# Altium PCB IMX6 DEV BOARD.PcbDoc (part 10 of 12) (continued)
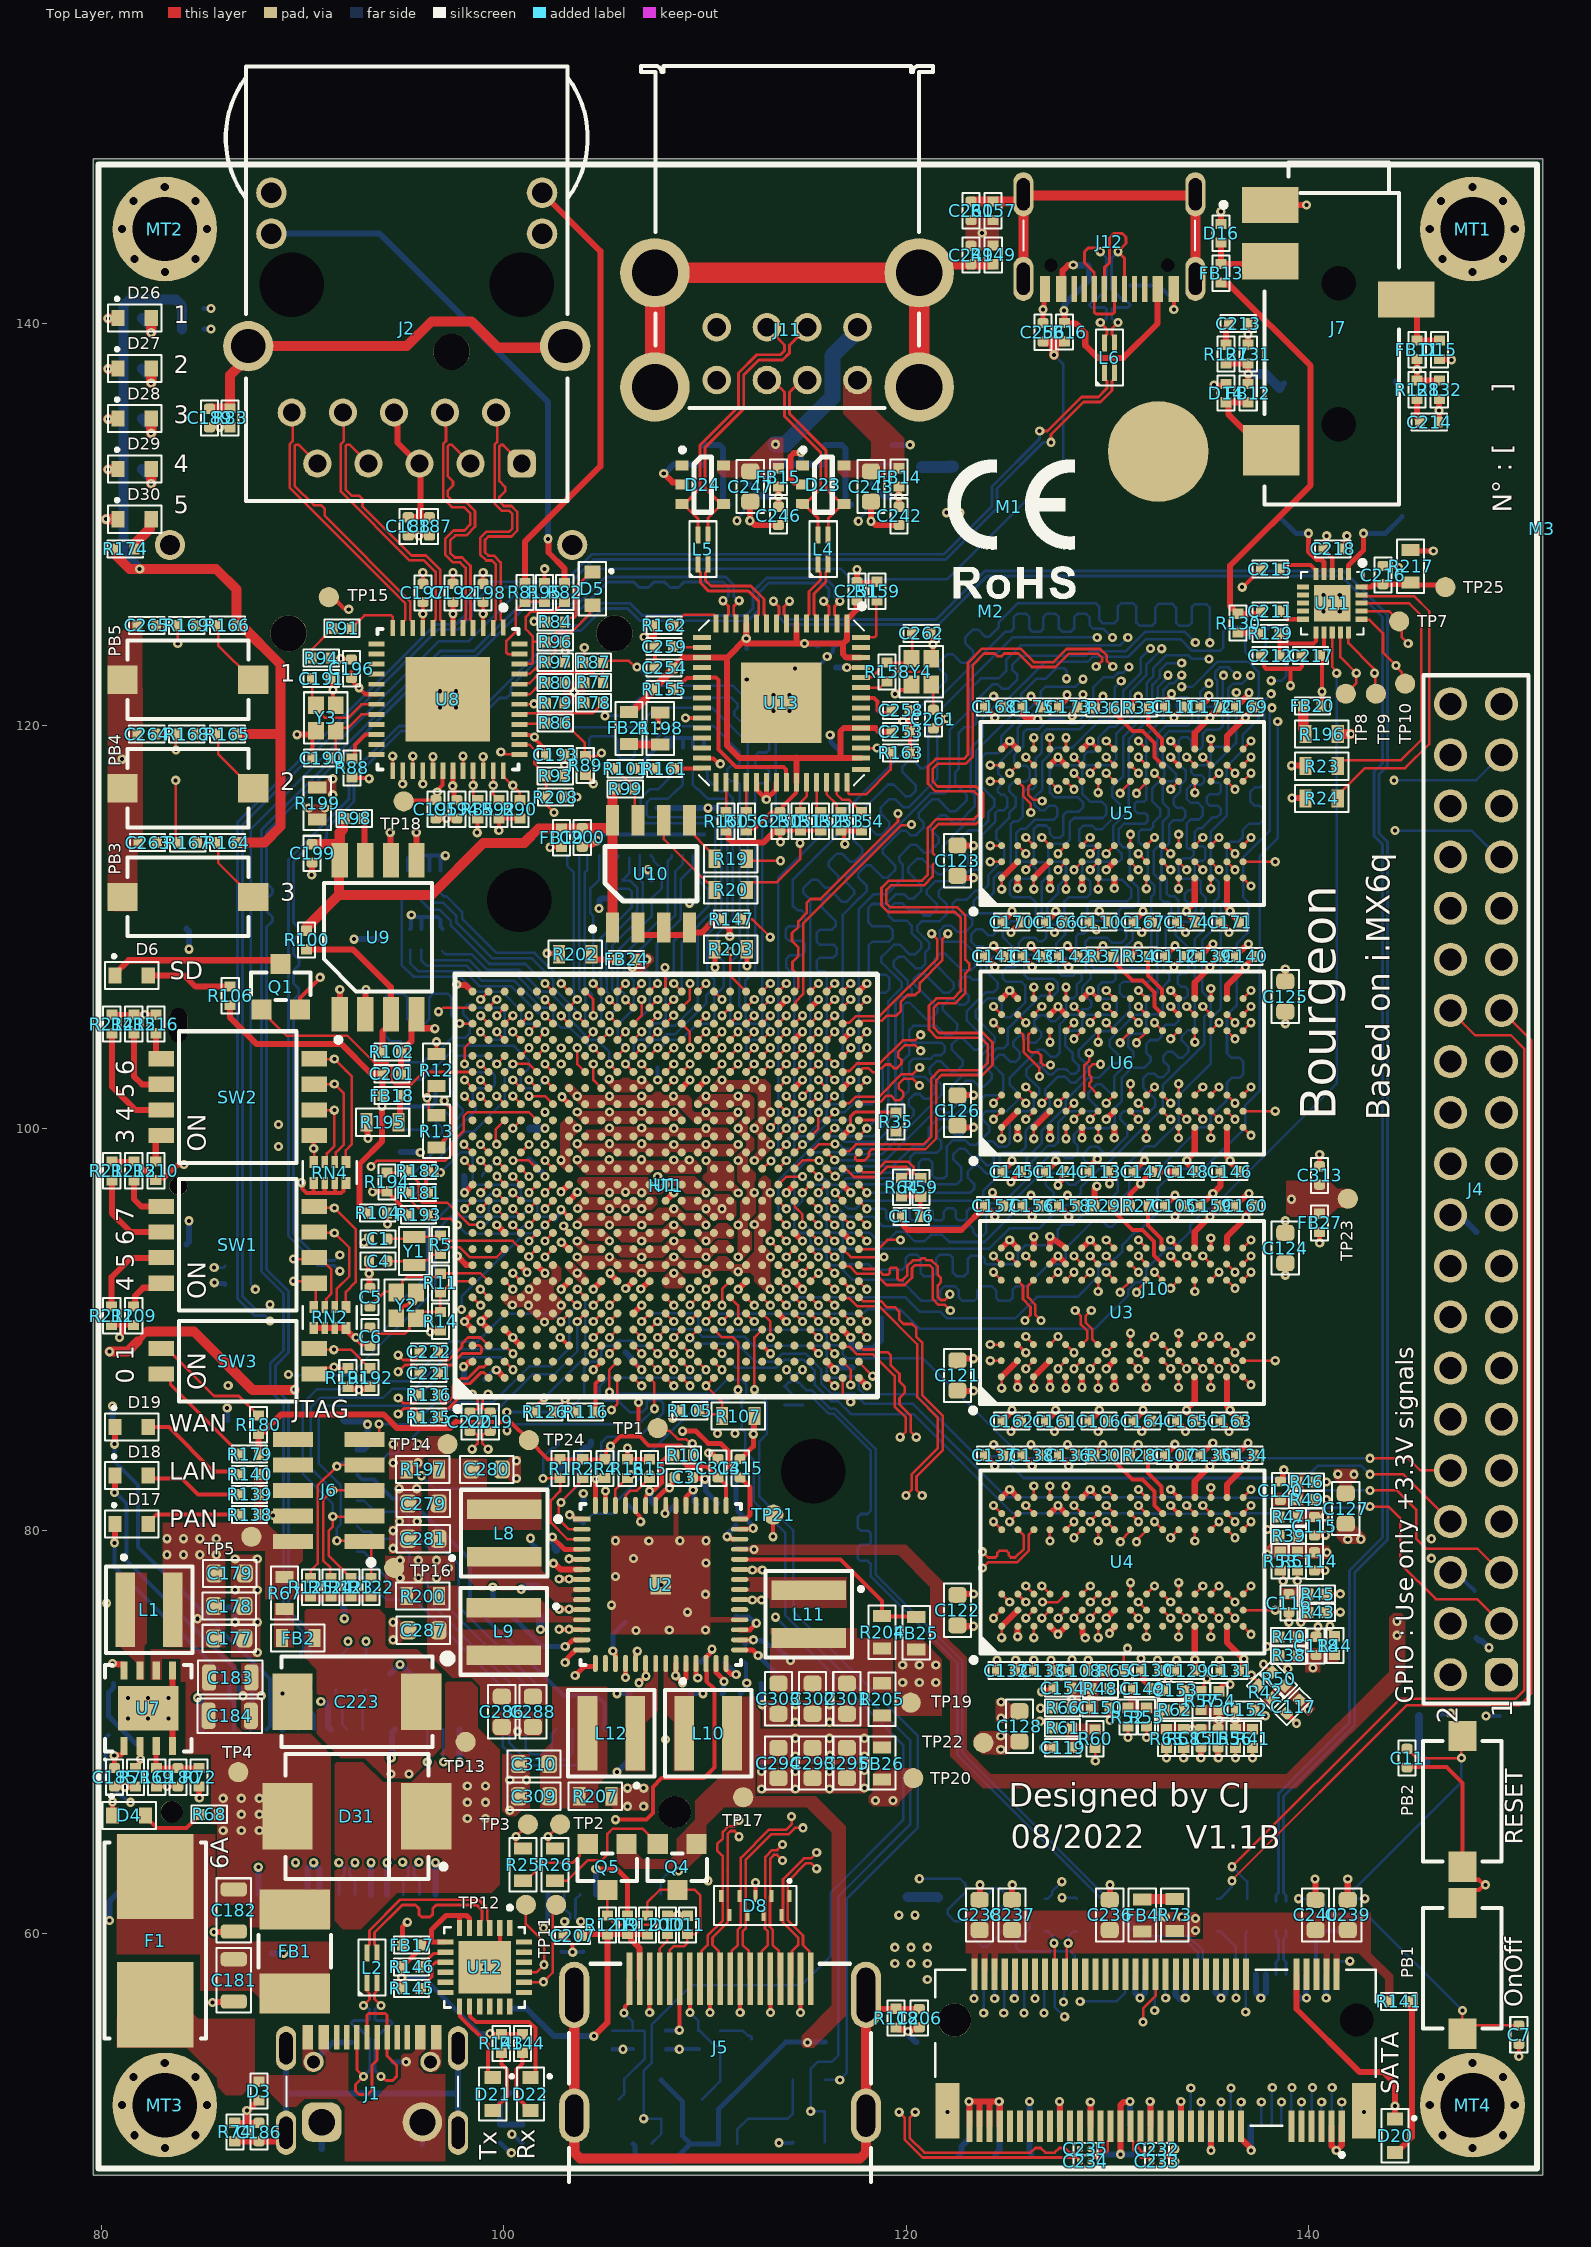
[diagram p0: Top Layer view]
## Nets (pads, with @x,y where several pads share a name; then routed paths per layer and width w, separated by ;. In a path a pad name is that pad's centre, name@x,y a point inside that pad or via, vN(x,y) a via of type N, cw(c..) or ccw(c..) an arc to the next point about the centre after c; other vN are vias at no path point) (continued)
RGMII_TD0: U1.C22 U8.28 | length 22.5
  Top Layer w0.125: v1(95.975,117.125) U8.28@95.975,117.775 ; v1(99.65,104.8) 99.65,104.797 100.044,104.403 U1.C22@100.044,104.4
  Inner 5 w0.11: v1(95.975,117.125) 95.975,117.852 95.834,117.993 95.526,117.993 95.383,117.85 95.383,117.073 95.6,116.857 95.6,116.555 95.71,116.445 95.71,115.66 95.152,115.102 95.152,112.852 95,112.7 95,109.887 94.791,109.677 94.791,109.44 94.99,109.24 95.255,109.24 95.48,109.465 95.685,109.465 95.87,109.28 95.87,109.075 95.617,108.822 95.617,108.618 95.789,108.445 95.986,108.445 96.224,108.683 96.417,108.683 96.596,108.504 96.596,108.308 96.357,108.068 96.357,107.878 96.507,107.727 96.726,107.727 96.969,107.969 97.18,107.969 97.407,107.742 97.407,107.547 97.153,107.292 97.153,107.081 97.733,106.502 97.733,105.856 98.203,105.385 98.203,104.71 98.6,104.313 99.508,104.313 99.65,104.455 v1(99.65,104.8)
RGMII_TD1: U1.F20 U8.27 | length 22.5
  Top Layer w0.125: U8.27@95.475,117.775 v1(95.475,118.5) ; v1(102.05,103.2) 102.05,103.169 102.419,102.8 U1.F20@102.444,102.8
  Inner 5 w0.11: v1(95.475,118.5) 94.25,117.275 94.25,116.71 93.841,116.301 93.841,109.361 97.16,106.042 97.16,104.941 98.449,103.652 100.57,103.652 101.022,103.2 v1(102.05,103.2)
RGMII_TD2: U1.E21 U8.26 | length 22.5
  Top Layer w0.125: v1(94.975,117.125) U8.26@94.975,117.775 ; U1.E21@101.644,103.6 101.647,103.6 102.047,104 v1(102.05,104)
  Inner 5 w0.11: v1(94.975,117.125) 94.975,117.093 95.277,116.792 95.277,116.135 94.985,115.843 94.344,115.843 94.191,115.69 94.191,115.304 94.328,115.168 94.627,115.168 94.764,115.031 94.764,114.532 94.269,114.037 94.269,113.722 94.628,113.364 94.628,113.097 94.219,112.688 94.219,112.457 94.64,112.035 94.64,111.762 94.241,111.363 94.241,111.059 94.644,110.656 94.644,110.344 94.3,110 94.3,109.411 97.42,106.291 97.42,105.048 98.468,104 100.65,104 101.05,103.6 101.65,103.6 v1(102.05,104)
RGMII_TD3: U1.A24 U8.25 | length 22.5
  Top Layer w0.125: U8.25@94.475,117.775 v1(94.475,118.5) ; v1(96.75,105.8) 96.791,105.8 96.991,106 U1.A24@98.444,106
  Inner 5 w0.11: v1(94.475,118.5) 93.85,117.875 93.85,117.15 93.2,116.5 93.2,115.578 93.022,115.4 92.176,115.4 92,115.224 92,114.694 92.194,114.5 93.03,114.5 93.2,114.33 93.2,113.779 93.021,113.6 92.283,113.6 92.103,113.42 92.103,112.834 92.272,112.665 93.023,112.665 93.2,112.488 93.2,111.959 92.989,111.749 92.364,111.749 92.2,111.585 92.2,110.981 92.376,110.805 92.998,110.805 93.2,110.603 93.2,109.35 v1(96.75,105.8)
RGMII_TX_CTL: U1.C23 U8.37 | length 22.5
  Top Layer w0.125: v1(99.85,118.7) 99.941,118.7 100.041,118.6 100.751,118.6 U8.37@100.776,118.576 ; U1.C23@100.044,105.2 100.047,105.2 100.447,105.6 v1(100.45,105.6)
  Inner 5 w0.11: v1(99.85,118.7) 99.84,118.71 99.521,118.71 99.143,119.089 99.143,119.666 99.377,119.9 100.676,119.9 100.858,119.718 100.858,118.3 100.595,118.037 100.323,118.037 99.952,117.666 99.952,116.562 100.314,116.2 100.757,116.2 101,115.957 101,113.71 100.706,113.415 99.985,113.415 98.8,112.231 98.8,110.335 100.796,108.34 100.796,105.946 v1(100.45,105.6)
RGMII_TXC: U1.D21 U8.29 | length 22.5
  Top Layer w0.125: U8.29@96.475,117.775 v1(96.475,118.475) ; U1.D21@100.844,103.6 100.847,103.6 101.247,104 v1(101.25,104)
  Inner 5 w0.11: v1(96.475,118.475) 96.475,119.227 96.35,119.352 96.014,119.352 95.889,119.227 95.889,118.332 96.475,117.746 96.475,117.081 96.05,116.656 96.05,114.45 95.557,113.957 95.557,113.571 95.8,113.328 95.8,113.033 95.5,112.733 95.5,112.458 95.8,112.158 95.8,111.825 95.5,111.525 95.5,111.152 95.8,110.852 95.8,109.8 98.09,107.51 98.09,105.904 98.465,105.529 98.465,105.416 98.666,105.215 99.864,105.215 100.035,105.044 100.035,104.531 100.232,104.333 100.917,104.333 v1(101.25,104)
SATA_A_C_N: C234.2 J10.47 | length 2.3
  Top Layer w0.13: C234.2@129.172,48.654 129.251,48.733 129.251,48.762 129.333,48.844 129.673,48.844 130.02,49.191 130.02,49.645 130.15,49.775 J10.47@130.15,50.4
SATA_A_C_P: C235.2 J10.49 | length 2
  Top Layer w0.13: C235.2@129.17,49.274 129.249,49.195 129.249,49.166 129.331,49.084 129.574,49.084 129.78,49.29 129.78,49.645 129.65,49.775 J10.49@129.65,50.4
SATA_A_N: C234.1 U1.B12 | length 106.8
  Top Layer w0.13: v1(98.85,96) 98.85,96.003 99.244,96.397 U1.B12@99.244,96.4 ; v1(119.65,51.1) 119.93,50.82 119.93,49.725 120.811,48.844 128.481,48.844 128.563,48.762 128.563,48.733 C234.1@128.642,48.654
  Inner 5 w0.11: 82.45,81.928 82.45,81.729 ; v1(98.85,96) 98.446,96.404 97.774,96.404 97.689,96.319 92.779,96.319 92.054,95.594 91.106,95.594 89.912,94.4 85.741,94.4 82.45,91.109 82.45,89.072 82.45,88.39 82.45,88.116 82.794,87.772 83.972,87.772 84.134,87.61 84.134,87.124 83.972,86.962 82.7,86.962 82.356,86.618 82.356,85.876 82.7,85.532 83.972,85.532 84.134,85.37 84.134,84.884 83.972,84.722 82.7,84.722 82.356,84.378 82.356,83.636 82.7,83.292 83.972,83.292 84.134,83.13 84.134,82.644 83.972,82.482 82.794,82.482 82.45,82.138 82.45,81.729 ; 113.672,53.29 105.68,53.29 104.88,54.09 103.159,54.09 100.159,57.09 96.772,57.09 93.872,59.99 91.068,59.99 88.5,62.558 88.5,67.862 85.82,70.542 85.82,73.3 82.541,76.579 82.45,76.67 82.45,81.729 ; 113.7,53.29 118.723,53.29 119.888,52.126 119.888,51.338 v1(119.65,51.1)
SATA_A_P: C235.1 U1.A12 | length 107.2
  Top Layer w0.13: v1(98.05,96) 98.05,96.003 98.444,96.397 U1.A12@98.444,96.4 ; v1(120.45,51.1) 120.17,50.82 120.17,49.824 120.91,49.084 126.184,49.084 126.42,49.32 126.68,49.32 126.916,49.084 127.384,49.084 127.615,49.315 127.885,49.315 128.116,49.084 128.479,49.084 128.561,49.166 128.561,49.195 C235.1@128.64,49.274
  Inner 5 w0.11: v1(98.05,96) 98.041,96.009 97.582,96.009 97.45,95.877 97.45,95.495 97.328,95.372 97.023,95.372 96.9,95.496 96.9,95.874 96.764,96.009 92.907,96.009 92.183,95.284 91.234,95.284 90.04,94.09 85.869,94.09 82.76,90.981 82.76,90 82.96,89.8 83.179,89.8 83.324,89.655 83.324,89.421 83.176,89.273 82.96,89.273 82.76,89.072 82.76,88.39 82.76,88.244 82.922,88.082 84.101,88.082 84.444,87.738 84.444,86.996 84.101,86.652 82.828,86.652 82.666,86.49 82.666,86.004 82.828,85.842 84.101,85.842 84.444,85.498 84.444,84.756 84.101,84.412 82.828,84.412 82.666,84.25 82.666,83.764 82.828,83.602 84.101,83.602 84.444,83.258 84.444,82.516 84.101,82.172 82.922,82.172 82.76,82.01 82.76,81.729 82.76,80.84 83.022,80.578 83.022,80.309 82.76,80.048 82.76,78.34 82.977,78.123 82.977,77.917 82.76,77.701 82.76,76.798 86.13,73.428 86.13,70.67 88.81,67.99 88.81,62.686 91.196,60.3 94,60.3 96.9,57.4 100.288,57.4 103.288,54.4 105.008,54.4 105.808,53.6 118.852,53.6 120.198,52.254 120.198,51.352 v1(120.45,51.1)
SATA_B_C_N: C233.2 J10.43 | length 2.4
  Top Layer w0.13: J10.43@131.15,50.4 131.15,49.775 131.28,49.645 131.28,49.231 131.673,48.838 132.033,48.838 132.115,48.756 132.115,48.736 C233.2@132.194,48.658
SATA_B_C_P: C232.2 J10.41 | length 2
  Top Layer w0.13: J10.41@131.65,50.4 131.65,49.775 131.52,49.645 131.52,49.33 131.773,49.078 132.032,49.078 132.114,49.16 132.114,49.179 C232.2@132.193,49.258
SATA_B_N: C233.1 U1.A14 | length 106.7
  Top Layer w0.13: v1(98.05,98.4) 98.05,98.397 98.444,98.003 U1.A14@98.444,98 ; C233.1@132.724,48.658 132.803,48.736 132.803,48.756 132.885,48.838 133.117,48.838 133.309,48.646 v1(133.365,48.646)
  Inner 5 w0.11: v1(98.05,98.4) 98.296,98.154 98.296,97.851 98.088,97.643 97.577,97.643 97.144,97.21 96.869,97.21 96.551,97.529 96.297,97.529 95.978,97.21 95.595,97.21 95.278,97.527 95.031,97.527 94.714,97.21 94.5,97.21 94.198,97.21 93.798,97.61 91.398,97.61 89.331,95.543 85.285,95.543 81.34,91.598 81.34,76.043 83.9,73.483 83.9,70.062 85.29,68.672 85.29,63.91 90.632,58.568 92.848,58.568 95.602,55.813 99.396,55.813 102.476,52.733 103.879,52.733 104.812,51.8 112.5,51.8 115.41,48.89 121.928,48.89 122.628,49.59 131.249,49.59 132.043,48.796 133.126,48.796 133.276,48.646 v1(133.365,48.646)
SATA_B_P: C232.1 U1.B14 | length 107.1
  Top Layer w0.13: v1(98.85,98.4) 98.85,98.397 99.244,98.003 U1.B14@99.244,98 ; C232.1@132.723,49.258 132.802,49.179 132.802,49.16 132.884,49.078 133.12,49.078 133.299,49.256 v1(133.362,49.256)
  Inner 5 w0.11: v1(98.85,98.4) 98.606,98.156 98.606,97.722 98.216,97.333 97.705,97.333 97.272,96.9 94.07,96.9 93.67,97.3 91.527,97.3 89.459,95.233 85.414,95.233 81.65,91.47 81.65,76.172 84.21,73.612 84.21,70.19 84.539,69.861 84.991,69.861 85.221,69.631 85.221,69.179 85.6,68.8 85.6,68.276 85.9,67.976 85.9,67.731 85.6,67.431 85.6,66.4 85.919,66.081 85.919,65.827 85.6,65.508 85.6,64.038 90.76,58.878 92.976,58.878 95.731,56.123 96.679,56.123 96.856,56.3 97.146,56.3 97.323,56.123 99.524,56.123 102.604,53.043 104.008,53.043 104.941,52.11 112.628,52.11 115.538,49.2 121.8,49.2 122.5,49.9 129.142,49.9 129.362,50.12 129.68,50.12 129.9,49.9 130.254,49.9 130.484,50.13 130.802,50.13 131.032,49.9 131.378,49.9 131.63,49.647 131.891,49.647 132.046,49.492 132.046,49.232 132.172,49.106 133.122,49.106 133.272,49.256 v1(133.362,49.256)
SATA_DAS/DSS#: D20.1 J10.10 U1.R5 | length 75.6
  Top Layer w0.125: v1(109.25,90.425) 109.259,90.425 109.634,90.8 U1.R5@109.644,90.8
  Top Layer w0.3: J10.10@139.4,57.95 139.4,56.225 142.525,53.1 143.7,53.1 144.3,52.5 v1(144.3,51.4) D20.1@144.3,50.75
  Inner 5 w0.125: v1(109.25,90.425) 109.657,90.018 109.657,86.842 109.784,86.716 109.784,83.416 110.39,82.81 110.39,79.825 111.125,79.09 111.125,77.064 112.049,76.139 113.96,76.139 116.7,73.399 116.7,64.45 120.028,61.122 120.028,60.569 120.235,60.362 120.938,60.362 124.081,57.219 126.607,57.219 127.316,56.51 127.316,54.782 131.457,50.642 143.542,50.642 v1(144.3,51.4)
SATA_DEVSLP: J10.38 U1.T2 | length 71.7
  Top Layer w0.125: U1.T2@110.456,88.403 110.456,88.391 110.847,88 v1(110.85,88) ; v1(131.775,55.575) 131.775,56.25 132.4,56.875 J10.38@132.4,57.95
  Inner 2 w0.125: v1(110.85,88) 113.134,88 117.234,83.9 117.234,80.316 123.382,74.168 124.622,74.168 124.969,73.821 124.969,73.295 125.773,72.491 126.795,72.491 128.385,70.9 128.984,70.9 135.469,64.415 136.485,64.415 137.463,63.437 137.463,62.437 140.664,59.236 142.364,59.236 143.6,58 143.6,52.7 141.8,50.9 139.637,50.9 139.131,51.406 139.131,51.755 138.679,52.207 138.679,52.689 136.726,54.641 132.709,54.641 v1(131.775,55.575)
SATA_I2C_SCL: J10.56 R22.2 | length 2.5
  Top Layer w0.125: J10.56@127.9,57.95 127.986,58.036 127.986,59.436 v1(128.05,59.5)
  Bottom Layer w0.125: v1(128.05,59.5) 128.08,59.53 128.08,59.862 128.318,60.1 R22.2@128.468,60.1
SATA_I2C_SDA: J10.58 R21.2 | length 2.4
  Top Layer w0.125: v1(127.35,59.5) 127.375,59.475 127.375,57.975 J10.58@127.4,57.95
  Bottom Layer w0.125: R21.2@126.893,60.1 127.043,60.1 127.28,59.862 127.28,59.66 127.35,59.591 v1(127.35,59.5)
SD2_CD: J3.9 R104.1 U1.R6 | length 30.4
  Top Layer w0.125: R104.1@94.2,95.7 94.213,95.687 v1(94.213,95.246) ; v1(109.257,91.22) 109.26,91.22 109.64,91.6 U1.R6@109.644,91.6
  Inner 2 w0.11: v1(94.213,95.246) 94.9,95.933 94.9,98.51 96.283,99.893 99.628,99.893 99.918,99.604 102.296,99.604 103.245,98.655 103.245,95.839 103.474,95.61 103.868,95.61 104.073,95.405 104.073,95.009 103.879,94.815 103.466,94.815 103.242,94.591 103.242,94.062 102.7,93.52 102.7,92.472 102.465,92.237 102.465,91.041 102.691,90.815 107.057,90.815 107.827,91.585 108.892,91.585 v1(109.257,91.22)
SD2_CLK: J3.5 U1.C21 | length 10.9
  Top Layer w0.125: v1(99.65,103.2) 99.65,103.203 100.046,103.599 U1.C21@100.046,103.602
  Bottom Layer w0.125: J3.5@94.875,99.925 96.05,99.925 96.451,99.524 96.682,99.524 96.947,99.789 96.947,100.017 96.628,100.336 96.628,100.528 96.9,100.8 97.122,100.8 97.454,100.467 97.667,100.467 97.954,100.754 97.954,100.946 97.5,101.4 97.5,101.7 97.292,101.908 97.292,103.142 97.75,103.6 99.25,103.6 v1(99.65,103.2)
SD2_CMD: J3.3 R103.1 U1.F19 | length 10.9
  Top Layer w0.125: v1(102.05,102.4) 102.05,102.397 102.444,102.003 U1.F19@102.444,102
  Bottom Layer w0.125: J3.3@94.875,102.125 95.162,102.413 95.942,102.413 96.579,103.05 R103.1@96.6,103.05 96.621,103.05 97.671,104.1 100.517,104.1 101.248,103.369 101.248,102.997 100.839,102.587 100.839,102.189 101.024,102.004 101.654,102.004 v1(102.05,102.4)
SD2_DAS: Q1.G U1.A20 | length 12.4
  Top Layer w0.125: Q1.G@88.184,105.662 88.187,105.662 88.387,105.462 88.387,105.413 89.2,104.6 92.229,104.6 93.595,103.234 94.226,103.234 94.427,103.033 94.427,102.365 94.59,102.203 95.414,102.203 96.011,102.8 U1.A20@98.444,102.8
SD2_DAT0: J3.7 U1.A22 | length 10.9
  Top Layer w0.125: v1(98.05,103.2) 98.05,104.006 U1.A22@98.444,104.4
  Bottom Layer w0.125: J3.7@94.875,97.725 95.475,97.725 95.762,98.013 95.762,98.05 98.615,100.903 98.615,101.085 98.452,101.248 98.452,101.797 98.65,101.995 99.374,101.995 99.553,102.174 99.553,102.634 99.395,102.792 98.458,102.792 v1(98.05,103.2)
SD2_DAT1: J3.8 U1.E20 | length 10.9
  Top Layer w0.125: v1(100.45,103.2) 101.244,103.2 U1.E20@101.644,102.8 ; U1.E20@101.645,102.799 U1.E20@101.648,102.799
  Bottom Layer w0.125: J3.8@94.875,96.625 95.475,96.625 95.762,96.913 95.762,96.931 96.404,97.573 96.404,98.164 98.08,99.839 98.509,99.839 100.039,101.369 100.039,102.789 v1(100.45,103.2)
SD2_DAT2: J3.1 U1.A23 | length 10.9
  Top Layer w0.125: v1(97.805,105.208) 97.809,105.204 98.445,105.204 U1.A23@98.449,105.2
  Bottom Layer w0.125: J3.1@94.875,104.325 94.387,104.325 94.1,104.613 94.1,106.505 94.295,106.7 95.011,106.7 95.2,106.511 95.2,105.428 95.391,105.236 96.099,105.236 96.3,105.437 96.3,106.513 96.487,106.7 97.211,106.7 97.397,106.514 97.397,105.597 97.786,105.208 v1(97.805,105.208)
SD2_DAT3: J3.2 U1.B22 | length 10.9
  Top Layer w0.125: v1(98.846,104.8) 98.849,104.8 99.246,104.402 99.249,104.4 U1.B22@99.252,104.4
  Bottom Layer w0.125: J3.2@94.875,103.225 94.922,103.272 95.967,103.272 96.476,103.782 96.705,103.782 97.413,104.49 98.07,104.49 98.311,104.731 98.311,105.342 97.975,105.678 97.975,105.929 98.184,106.139 98.461,106.139 98.607,105.993 99.813,105.993 100.042,105.763 100.042,104.637 99.813,104.408 99.238,104.408 v1(98.846,104.8)
SD2_WP: R105.1 R107.2 U1.T1 | length 3.6
  Top Layer w0.125: R105.1@109.712,85.967 109.879,85.8 110.75,85.8 R107.2@110.85,85.7 ; U1.T1@110.444,87.6 110.444,87.597 110.05,87.203 110.85,86.403 R107.2@110.85,85.775
  other v1: 110.05,87.2
SDWNB: R2.1 U1.R2 U2.2 | length 22.6
  Top Layer w0.125: U2.2@103.569,80.079 103.225,80.079 102.74,80.563 102.74,81.34 103.775,82.375 103.775,82.5 R2.1@103.9,82.625 ; U1.R2@109.65,88.394 109.653,88.394 110.047,88 v1(110.05,88)
  Bottom Layer w0.125: v1(102.847,81.396) 103.644,82.192 103.644,83.24 103.987,83.584 104.635,83.584 104.854,83.803 104.854,84.393 105.143,84.681 106.735,84.681 107.93,85.876 107.93,86.321 107.762,86.489 107.169,86.489 107.096,86.416 107.096,86.097 106.882,85.883 106.28,85.883 105.71,86.453 105.056,86.453 104.756,86.752 104.756,87.157 105.192,87.593 109.643,87.593 v1(110.05,88)
SPI4_CLK: U1.H20 U9.6 | length 17.5
  Top Layer w0.125: v1(103.65,104) 103.65,103.194 U1.H20@104.044,102.8
  Top Layer w0.3: v1(94.35,114.7) 94.367,114.683 94.367,113.468 U9.6@94.385,113.45
  Inner 2 w0.125: v1(94.35,114.7) 94.35,113.075 101.654,105.771 101.654,105.434 101.896,105.193 102.458,105.193 v1(103.65,104)
SPI4_CS0: U1.J19 U9.1 | length 17.6
  Top Layer w0.125: v1(104.45,103.2) 104.45,102.394 U1.J19@104.844,102
  Top Layer w0.3: U9.1@91.845,105.55 91.847,105.553 91.847,106.898 v1(91.85,106.9)
  Inner 2 w0.125: v1(91.85,106.9) 92.284,106.466 93.577,106.466 93.811,106.7 97.734,106.7 98.434,106 99.097,106 99.253,105.844 99.253,105.413 99.458,105.208 99.868,105.208 100.045,105.03 100.045,104.555 101.007,103.593 104.057,103.593 v1(104.45,103.2)
SPI4_MISO: U1.E23 U9.2 | length 11.9
  Top Layer w0.125: v1(101.256,104.8) U1.E23@101.656,105.2
  Top Layer w0.3: U9.2@93.115,105.55 93.133,105.568 93.133,106.883 v1(93.15,106.9)
  Inner 2 w0.125: v1(93.15,106.9) 93.887,107.637 99.097,107.637 100.856,105.878 100.856,105.2 v1(101.256,104.8)
SPI4_MOSI: U1.G23 U9.5 | length 14.3
  Top Layer w0.125: v1(102.85,105.594) U1.G23@103.25,105.194
  Top Layer w0.3: v1(95.65,114.7) 95.653,114.697 95.653,113.453 U9.5@95.655,113.45
  Inner 2 w0.125: v1(95.65,114.7) 95.65,112.45 101.4,106.7 101.4,106.436 101.834,106.001 102.443,106.001 v1(102.85,105.594)
TAMPER: R181.1 R193.2 U1.E11 | length 7.8
  Top Layer w0.125: R181.1@95.2,96.8 95.412,96.588 95.412,96.377 95.876,95.912 96.034,95.912 96.204,95.742 96.204,95.7 96.404,95.5 97.385,95.5 97.685,95.2 v1(97.7,95.2) ; v1(101.25,95.2) 101.25,95.203 101.644,95.597 U1.E11@101.644,95.6
  Bottom Layer w0.125: v1(97.7,95.2) 98.148,94.752 100.595,94.752 100.979,95.136 101.186,95.136 v1(101.25,95.2)
TD_A_N: J2.2 U8.2 | length 13.2
  Top Layer w0.13: U8.2@99.475,124.876 99.475,125.156 99.602,125.284 99.602,128.028 99.406,128.225 99.134,128.225 98.828,128.532 98.828,129.35 99.136,129.659 100.277,129.659 100.428,129.81 100.428,130.542 100.28,130.69 99.898,130.69 99.541,131.047 99.541,133.988 99.667,134.115 99.667,135.533 J2.2@99.62,135.58
TD_A_P: J2.1 U8.1 | length 13.2
  Top Layer w0.13: U8.1@99.975,124.889 99.975,125.169 99.921,125.224 99.919,125.224 99.842,125.3 99.842,128.128 99.505,128.465 99.234,128.465 99.068,128.631 99.068,129.251 99.236,129.419 100.376,129.419 100.668,129.711 100.668,130.641 100.379,130.93 99.998,130.93 99.781,131.147 99.781,131.381 100.063,131.663 100.063,131.887 99.781,132.169 99.781,133.889 99.857,133.965 99.965,133.965 J2.1@100.89,133.04
TD_B_N: J2.4 U8.5 | length 13.2
  Top Layer w0.13: J2.4@97.08,135.58 97.127,135.533 97.127,134.155 96.981,134.009 96.981,131.317 97.418,130.88 98.026,130.88 98.33,130.576 98.33,130.006 98.038,129.714 97.499,129.714 97.094,129.31 97.094,128.506 97.469,128.13 97.83,128.13 98.105,127.856 98.105,125.286 97.975,125.156 U8.5@97.975,124.876
TD_B_P: J2.3 U8.4 | length 13.2
  Top Layer w0.13: J2.3@98.35,133.04 97.405,133.985 97.297,133.985 97.221,133.909 97.221,132.404 97.475,132.15 97.475,131.95 97.221,131.696 97.221,131.416 97.518,131.12 98.126,131.12 98.57,130.675 98.57,129.906 98.138,129.474 97.598,129.474 97.334,129.21 97.334,128.605 97.569,128.37 97.93,128.37 98.345,127.955 98.345,125.286 98.475,125.156 U8.4@98.475,124.876
TD_C_N: J2.8 U8.8 | length 13.2
  Top Layer w0.13: J2.8@92,135.58 92.047,135.533 92.047,134.155 91.901,134.009 91.901,131.648 95.314,128.235 96.03,128.235 96.608,127.657 96.608,125.289 96.475,125.156 U8.8@96.475,124.876
TD_C_P: J2.7 U8.7 | length 13.2
  Top Layer w0.13: J2.7@93.27,133.04 92.325,133.985 92.217,133.985 92.141,133.909 92.141,131.748 92.438,131.45 92.797,131.45 92.975,131.272 92.975,130.913 95.414,128.475 96.129,128.475 96.848,127.756 96.848,125.284 96.975,125.156 U8.7@96.975,124.876
TD_D_N: J2.10 U8.11 | length 13.2
  Top Layer w0.13: J2.10@89.46,135.58 89.507,135.533 89.507,134.155 89.361,134.009 89.361,131.839 95.105,126.095 95.105,125.286 94.975,125.156 U8.11@94.975,124.876
TD_D_P: J2.9 U8.10 | length 13.2
  Top Layer w0.13: J2.9@90.73,133.04 89.785,133.985 89.677,133.985 89.601,133.909 89.601,131.939 90.564,130.975 90.907,130.975 91.1,130.782 91.1,130.439 95.345,126.194 95.345,125.286 95.475,125.156 U8.10@95.475,124.876
TEST_MODE: R182.1 R194.2 U1.E12 | length 9.8
  Top Layer w0.125: R194.2@93.991,97.8 R194.2@94.191,97.8 95.1,97.8 95.2,97.9 95.2,97.879 95.763,97.316 95.763,96.474 95.937,96.3 97.195,96.3 98.295,95.2 v1(98.85,95.2) ; v1(101.25,96) 101.25,96.003 101.644,96.397 U1.E12@101.644,96.4
  Bottom Layer w0.125: v1(98.85,95.2) 98.914,95.264 99.116,95.264 99.46,95.607 100.858,95.607 v1(101.25,96)
UART1_RxD: TP12.1 U1.M1 U12.21 | length 44.4
  Top Layer w0.125: U12.21@101,58.05 101.625,58.05 v1(102,58.425) 102,59.55 101.1,60.45 TP12.1@101.1,61.4 ; U1.M1@107.244,87.6 107.489,87.355 v1(107.489,86.062)
  Inner 5 w0.125: v1(100.158,84.973) 98.273,84.973 97.7,84.4 97.7,73.8 98.627,72.873 98.627,61.798 v1(102,58.425)
  Bottom Layer w0.125: v1(100.158,84.973) 100.485,85.3 106.727,85.3 v1(107.489,86.062)
UART1_TxD: TP11.1 U1.M3 U12.20 | length 49.1
  Top Layer w0.125: U12.20@101,57.55 101.012,57.563 101.963,57.563 102.432,58.032 102.432,60.889 ; 102.433,60.889 102.433,61.383 TP11.1@102.45,61.4 ; U1.M3@107.25,89.194 107.253,89.194 107.647,88.8 v1(107.65,88.8)
  Inner 5 w0.125: v1(100.15,85.9) 100.11,85.9 99.71,85.5 98.1,85.5 97.2,84.6 97.2,79.887 96.257,78.944 96.257,73.969 97.407,72.819 97.407,62.143 v1(101.975,57.575)
  Bottom Layer w0.125: v1(100.15,85.9) 103.143,85.9 104,86.757 104,88.105 104.299,88.404 104.609,88.404 104.85,88.645 104.85,88.955 105.087,89.193 105.411,89.193 105.664,89.446 106.428,89.446 106.673,89.2 107.25,89.2 v1(107.65,88.8)
USB_CdE_N: L7.3 U13.8 | length 100.6
  Top Layer w0.145: v1(113.4,126.2) 113.672,125.928 113.672,125.548 113.55,125.425 U13.8@113.55,125.1
  Bottom Layer w0.145: v1(113.4,126.2) 113.672,125.928 113.672,125.4 114.028,125.045 121.606,125.045 124.006,127.445 141.644,127.445 143.679,125.411 143.679,118.139 143.245,117.705 143.245,114.555 143.679,114.121 143.679,79.666 142.04,78.027 142.04,70.451 138.498,66.908 138.498,61.997 138.375,61.875 L7.3@138.375,61.575
USB_CdE_P: L7.2 U13.7 | length 100.6
  Top Layer w0.145: U13.7@114.05,125.1 114.05,125.425 113.927,125.548 113.927,125.928 v1(114.2,126.2)
  Bottom Layer w0.145: v1(114.2,126.2) 113.927,125.928 113.927,125.506 114.133,125.3 121.5,125.3 123.9,127.7 141.75,127.7 143.934,125.516 143.934,118.034 143.5,117.6 143.5,114.661 143.934,114.227 143.934,79.56 142.295,77.921 142.295,70.345 138.753,66.803 138.753,61.997 138.875,61.875 L7.2@138.875,61.575
USB_DEBUG_F_N: D2.4 J1.6 J1.8 L2.4 | length 13
  Top Layer w0.145: J1.6@93.2,54.675 93.2,55.924 93.285,56.009 94.115,56.009 94.2,55.924 J1.8@94.2,54.825 94.2,53.9 94.679,53.421 94.679,52.879 94.478,52.678 94.142,52.678 93.946,52.875 v1(93.9,52.875) ; L2.4@93.7,57.25 L2.4@93.7,57.55 ; L2.4@93.7,57.425 93.7,57.125 93.577,57.003 93.577,56.723 v1(93.9,56.4)
  Bottom Layer w0.145: v1(93.9,52.875) 93.59,53.185 93.59,54.74 94.193,55.344 94.283,55.344 94.465,55.525 94.34,55.65 93.674,55.65 93.589,55.735 93.589,56.197 93.675,56.282 93.697,56.282 93.815,56.4 v1(93.9,56.4)
USB_DEBUG_F_P: D2.3 J1.5 J1.7 L2.1 | length 13
  Top Layer w0.145: J1.5@92.7,54.675 92.7,53.2 v1(93.025,52.875) 92.625,52.475 92.625,52.158 92.804,51.979 93.238,51.979 93.45,52.191 93.45,53.425 93.7,53.675 J1.7@93.7,54.675 ; v1(93.025,56.4) 93.322,56.697 93.322,57.003 93.2,57.125 L2.1@93.2,57.425 ; L2.1@93.2,57.25 L2.1@93.2,57.55
  Bottom Layer w0.145: v1(93.025,52.875) 93.335,53.185 93.335,54.747 92.739,55.344 92.581,55.344 92.4,55.525 92.525,55.65 93.249,55.65 93.334,55.735 93.334,56.197 93.249,56.282 93.229,56.282 93.11,56.4 v1(93.025,56.4)
USB_DEBUG_N: L2.3 U12.4 | length 8.9
  Top Layer w0.145: L2.3@93.7,59 93.7,59.3 93.578,59.423 93.578,60.027 94.95,61.4 95.607,61.4 95.775,61.232 95.775,60.932 95.911,60.796 96.325,60.796 96.466,60.937 96.466,61.223 96.643,61.4 98.65,61.4 98.922,61.128 98.922,60.648 98.8,60.525 U12.4@98.8,60.25
USB_DEBUG_P: L2.2 U12.3 | length 8.9
  Top Layer w0.145: L2.2@93.2,59 93.2,59.3 93.323,59.423 93.323,60.133 94.844,61.655 98.756,61.655 99.178,61.233 99.178,60.648 99.3,60.525 U12.3@99.3,60.25
USB_HOST_1_FILT_N: D23.4 J11.A2 L4.3 | length 9.8
  Top Layer w0.145: J11.A2@115.08,137.195 114.807,137.195 114.208,136.595 114.208,136.475 114.208,135.5 116.007,133.7 116.007,131.818 116.609,131.216 116.733,131.216 D23.4@116.915,131.035 116.851,131.035 116.125,130.308 L4.3@116.125,129.5
USB_HOST_1_FILT_P: D23.3 J11.A3 L4.2 | length 9.8
  Top Layer w0.145: J11.A3@113.08,137.195 113.353,137.195 113.953,136.595 113.953,136.369 113.953,135.394 115.752,133.595 115.752,131.802 115.166,131.216 115.031,131.216 D23.3@114.85,131.035 114.913,131.035 115.625,130.323 L4.2@115.625,129.5
USB_HOST_1_N: L4.4 U13.4 | length 3.3
  Top Layer w0.145: U13.4@115.55,125.1 115.55,125.425 115.428,125.548 115.428,126.578 116.003,127.153 116.003,127.628 116.125,127.75 L4.4@116.125,128.05
USB_HOST_1_P: L4.1 U13.5 | length 3.3
  Top Layer w0.145: U13.5@115.05,125.1 115.05,125.425 115.173,125.548 115.173,126.683 115.748,127.258 115.748,127.628 115.625,127.75 L4.1@115.625,128.05
USB_HOST_2_FILT_N: D24.4 J11.B2 L5.3 | length 13.9
  Top Layer w0.145: L5.3@110.15,129.5 110.15,130.333 110.851,131.035 D24.4@110.915,131.035 110.733,131.216 110.609,131.216 110.01,131.815 110.01,133.849 111.925,135.764 111.925,137.445 112.675,138.195 113.857,138.195 114.208,138.545 114.208,138.943 J11.B2@115.08,139.815
USB_HOST_2_FILT_P: D24.3 J11.B3 L5.2 | length 13.9
  Top Layer w0.145: L5.2@109.65,129.5 109.65,130.298 108.913,131.035 D24.3@108.85,131.035 109.031,131.216 109.166,131.216 109.755,131.805 109.755,133.955 111.67,135.87 111.67,137.551 112.569,138.45 113.752,138.45 113.953,138.651 113.953,138.942 J11.B3@113.08,139.815
USB_HOST_2_N: L5.4 U13.9 | length 5.4
  Top Layer w0.145: L5.4@110.15,128.05 110.15,127.75 110.027,127.627 110.027,127.223 110.295,126.955 112.278,126.955 112.928,126.306 112.928,125.548 113.05,125.425 U13.9@113.05,125.1
USB_HOST_2_P: L5.1 U13.10 | length 5.4
  Top Layer w0.145: L5.1@109.65,128.05 109.65,127.75 109.772,127.627 109.772,127.117 110.189,126.7 112.173,126.7 112.673,126.2 112.673,125.548 112.55,125.425 U13.10@112.55,125.1
USB_HOST_IMX6_N: U1.F10 U13.3 | length 70.3
  Top Layer w0.145: v1(102.05,94.4) 102.05,94.403 102.444,94.797 U1.F10@102.444,94.8 ; v1(115.9,126.2) 116.172,125.928 116.172,125.548 116.05,125.425 U13.3@116.05,125.1
  Inner 5 w0.14: v1(91.85,93.7) 92.117,93.433 92.699,93.433 93.053,93.787 96.236,93.787 96.841,94.392 100.182,94.392 100.59,94.8 101.416,94.8 101.754,94.461 101.989,94.461 v1(102.05,94.4)
  Bottom Layer w0.145: v1(91.85,93.7) 91.578,93.428 90.876,93.428 89.547,94.756 89.547,101.123 89.55,101.125 89.55,106.383 89.808,106.641 89.808,106.942 89.55,107.2 89.55,107.849 89.812,108.111 89.812,108.388 89.55,108.65 89.55,109.369 89.83,109.649 89.83,109.939 89.55,110.219 89.55,113.25 90.57,114.27 90.987,114.27 91.2,114.483 91.2,114.9 92.55,116.25 92.55,117.404 94.891,119.745 98.145,119.745 99.788,121.388 100.125,121.388 100.355,121.617 100.355,121.955 103.145,124.745 103.843,124.745 104.941,125.843 106.162,125.843 106.775,125.229 112.138,125.229 112.65,125.741 112.65,126.589 113.161,127.1 115.872,127.1 116.173,126.8 116.173,126.666 116.172,126.44 115.932,126.2 v1(115.9,126.2)
USB_HOST_IMX6_P: U1.E10 U13.2 | length 70.5
  Top Layer w0.145: v1(101.25,94.4) 101.25,94.403 101.644,94.797 U1.E10@101.644,94.8 ; U13.2@116.55,125.1 116.55,125.425 116.427,125.548 116.427,125.928 v1(116.7,126.2)
  Inner 5 w0.14: v1(91.85,92.9) 92.118,93.168 92.808,93.168 93.163,93.522 96.346,93.522 96.95,94.127 98.13,94.127 98.304,93.953 98.304,93.6 98.459,93.446 98.857,93.446 99.002,93.591 99.002,93.957 99.173,94.127 100.292,94.127 100.605,94.441 101.209,94.441 v1(101.25,94.4)
  Bottom Layer w0.145: v1(91.85,92.9) 91.577,93.173 90.771,93.173 89.292,94.651 89.292,101.228 89.295,101.231 89.295,113.356 92.295,116.356 92.295,117.51 94.785,120 98.039,120 103.039,125 103.738,125 104.836,126.098 106.267,126.098 106.881,125.484 112.033,125.484 112.395,125.846 112.395,126.694 113.056,127.355 115.978,127.355 116.428,126.906 116.428,126.56 116.427,126.44 116.668,126.2 v1(116.7,126.2)
USB_OTG_D_N: L6.4 U1.B6 | length 91.4
  Top Layer w0.145: v1(98.835,92) 98.839,92 99.246,91.594 U1.B6@99.25,91.594 ; v1(127.2,134.1) 127.2,134.485 128.815,136.1 129.661,136.1 130.228,136.667 130.228,137.152 130.35,137.275 L6.4@130.35,137.575
  Inner 2 w0.14: v1@98.835,91.993 v1(98.835,92)
  Inner 5 w0.14: v1(88.379,91.237) 88.651,90.965 90.542,90.965 90.777,91.2 91.1,91.2 91.335,90.965 91.938,90.965 92.161,91.188 92.477,91.188 92.7,90.965 96.216,90.965 96.983,91.733 98.575,91.733 98.835,91.993 v1(98.835,92)
  Bottom Layer w0.145: v1(88.379,91.237) 88.102,90.96 87.703,90.96 87.01,91.654 87.01,115.091 96.717,124.798 97.739,124.798 98.391,125.45 98.391,125.993 99.31,126.912 103.118,126.912 104.487,128.281 121.981,128.281 124.516,130.816 124.516,131.801 126.815,134.1 v1(127.2,134.1)